# Altium PCB DDR3.PcbDoc (part 4 of 6)
Units mm, origin at the board's own origin, x right, y up, seen from the top; angles counter-clockwise.
Board outline 67.6 x 30 mm, 8 copper layers (L1 Top, L2 GND, L3 Sig, L4 (PWR), L5 (PWR), L6 Sig, L7 GND, L8 Bot), stack 1.714 mm thick; 216 components, 253 nets, 1243 pads, 806 vias.
Unrouted connection lines stored in the file: 13.
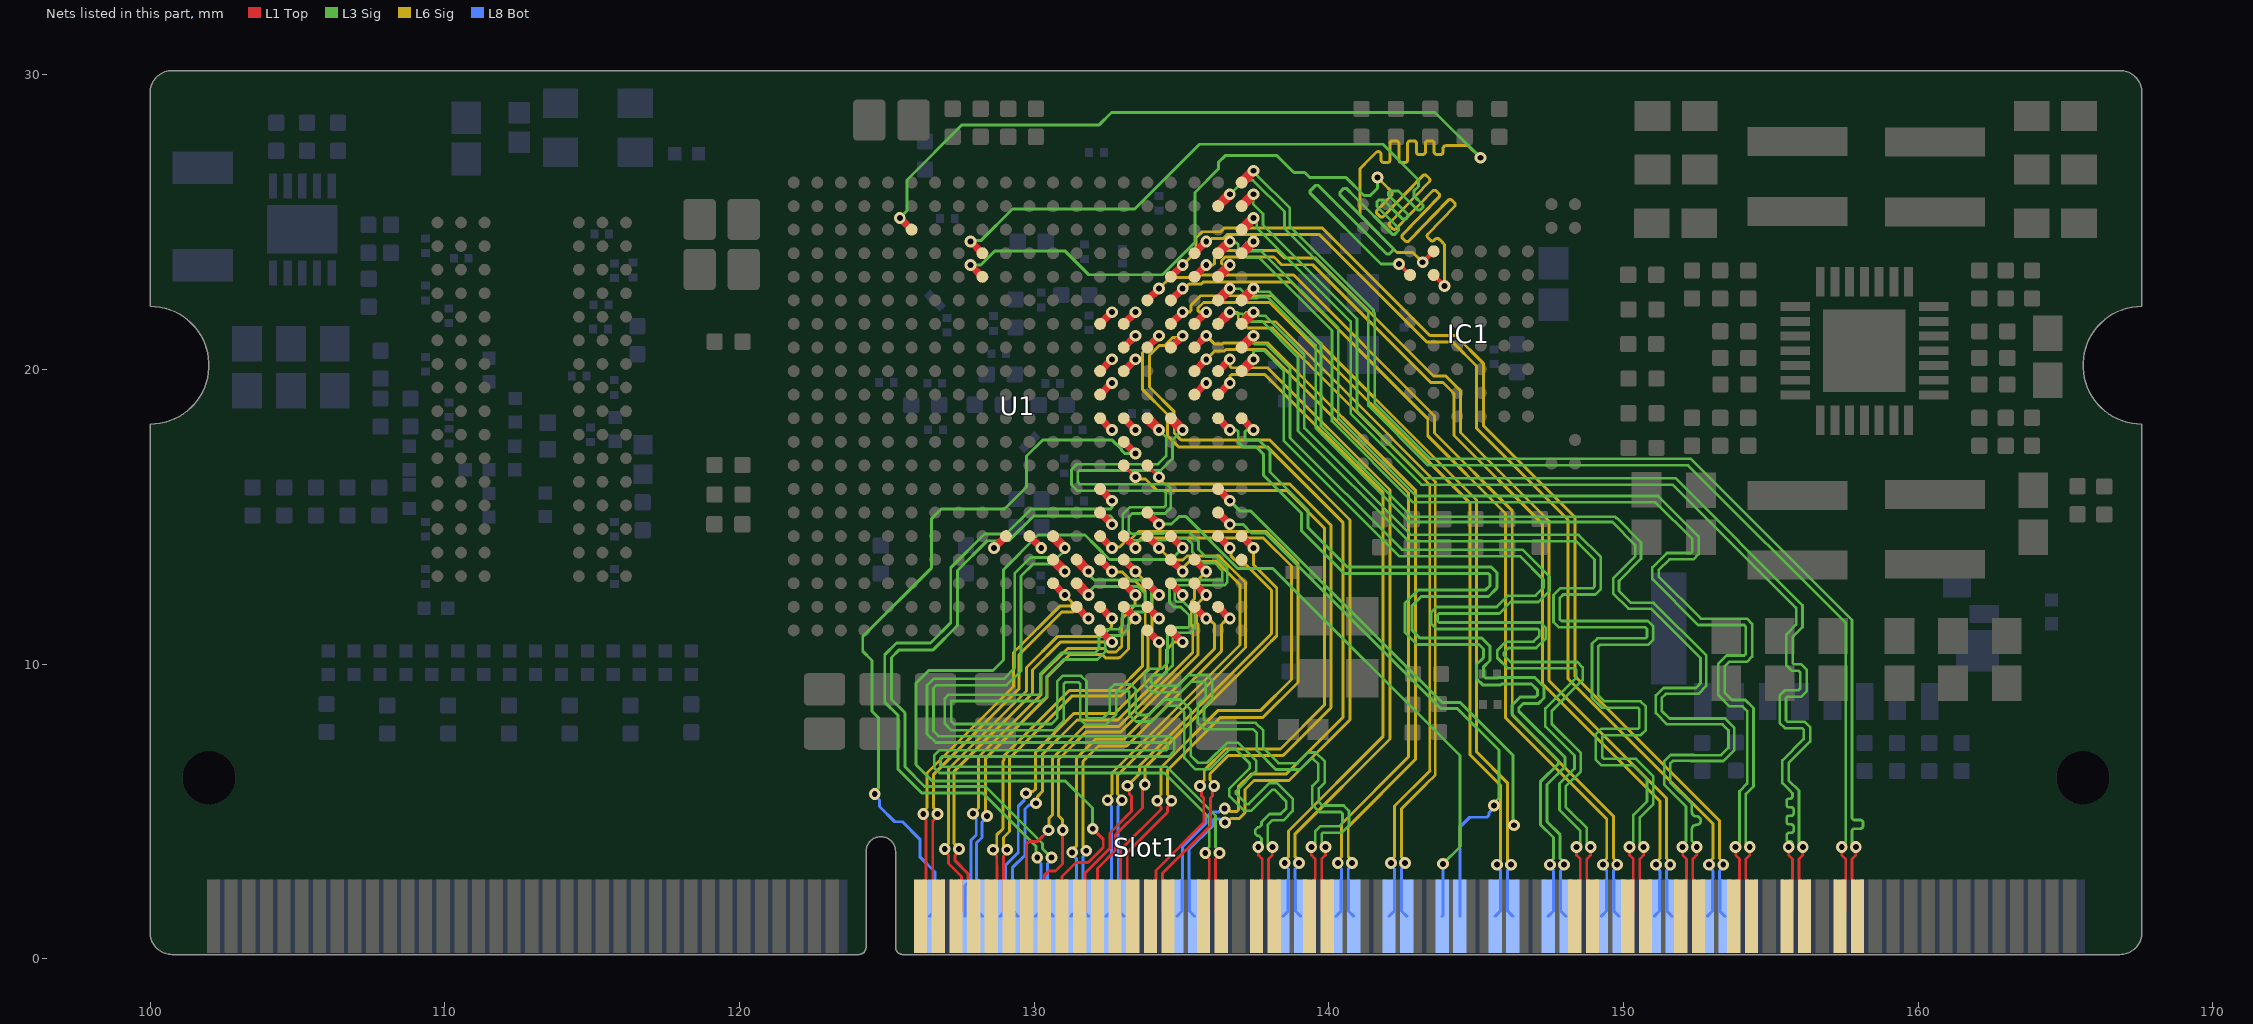
[diagram p10: the nets of this part, all layers, seen from the top]

## Via types
v1: diameter 0.4, hole 0.2, L1 Top to L8 Bot, 802 vias
v2: diameter 0.5, hole 0.2, L1 Top to L8 Bot, 4 vias

## Nets (pads, with @x,y where several pads share a name; then routed paths per layer and width w, separated by ;. In a path a pad name is that pad's centre, name@x,y a point inside that pad or via, vN(x,y) a via of type N, cw(c..) or ccw(c..) an arc to the next point about the centre after c; other vN are vias at no path point) (continued)
IO5_0: IC1.J7 U1.E9 | length 36
  L1 Top w0.15: IC1.J7@143.561,23.215 v1(143.932,22.844)
  L1 Top w0.254: v1(127.845,23.551) U1.E9@128.245,23.151
  L3 Sig w0.1: v1(127.845,23.551) 127.849,23.555 128.195,23.555 128.66,24.02 131.06,24.02 131.86,23.22 134.36,23.22 135.46,24.32 135.46,26.01 136.255,26.805 136.255,27.03 136.486,27.261 138.244,27.261 138.818,26.688 139.186,26.688 139.353,26.52 140.185,26.52 140.189,26.515 140.593,26.515 141.199,25.91 141.41,25.91 141.66,26.16 v1(141.66,26.52)
  L6 Sig w0.1: v1(141.66,26.52) 141.843,26.337 141.878,26.302 142.127,26.053 cw(c142.056,25.983) 142.128,25.913 141.646,25.414 ccw(c141.711,25.352) 141.648,25.287 141.734,25.204 ccw(c141.797,25.268) 141.862,25.206 143.191,26.582 cw(c143.256,26.519) 143.319,26.584 143.405,26.501 cw(c143.342,26.436) 143.407,26.373 142.077,24.997 ccw(c142.142,24.935) 142.08,24.87 142.166,24.787 ccw(c142.228,24.851) 142.293,24.789 143.523,26.062 cw(c143.588,25.999) 143.65,26.064 143.737,25.981 cw(c143.674,25.916) 143.739,25.853 142.509,24.58 ccw(c142.574,24.518) 142.511,24.453 142.597,24.37 ccw(c142.66,24.435) 142.725,24.372 144.054,25.748 cw(c144.119,25.685) 144.182,25.75 144.268,25.667 cw(c144.205,25.602) 144.27,25.54 143.366,24.605 ccw(c143.431,24.542) 143.369,24.477 143.455,24.394 ccw(c143.517,24.459) 143.582,24.396 143.611,24.426 cw(c143.683,24.356) 143.753,24.427 143.834,24.346 143.87,24.31 143.932,24.248 v1(143.932,22.844)
IO6_0: IC1.K7 U1.C6 | length 36
  L1 Top w0.15: v1(143.19,23.644) IC1.K7@143.561,24.015
  L1 Top w0.254: v1(125.445,25.151) U1.C6@125.845,24.751
  L3 Sig w0.1: v1(125.445,25.151) 125.69,25.396 125.69,26.44 127.56,28.31 132.21,28.31 132.63,28.73 143.61,28.73 v1(145.15,27.19)
  L6 Sig w0.1: v1(143.19,23.644) 142.854,23.98 142.32,23.98 141.07,25.23 141.07,26.83 141.385,27.145 141.609,27.369 cw(c141.68,27.299) 141.78,27.299 141.78,27.121 ccw(c141.87,27.121) 141.87,27.031 141.99,27.031 ccw(c141.99,27.121) 142.08,27.121 142.08,27.677 cw(c142.17,27.677) 142.17,27.767 142.29,27.767 cw(c142.29,27.677) 142.38,27.677 142.38,27.121 ccw(c142.47,27.121) 142.47,27.031 142.59,27.031 ccw(c142.59,27.121) 142.68,27.121 142.68,27.677 cw(c142.77,27.677) 142.77,27.767 142.89,27.767 cw(c142.89,27.677) 142.98,27.677 142.98,27.39 ccw(c143.07,27.39) 143.07,27.3 143.19,27.3 ccw(c143.19,27.39) 143.28,27.39 143.28,27.677 cw(c143.37,27.677) 143.37,27.767 143.49,27.767 cw(c143.49,27.677) 143.58,27.677 143.58,27.39 ccw(c143.67,27.39) 143.67,27.3 143.79,27.3 ccw(c143.79,27.39) 143.88,27.39 143.88,27.5 cw(c143.98,27.5) 143.98,27.6 144.42,27.6 144.74,27.6 v1(145.15,27.19)
IO7_0: IC1.J8 U1.D9 | length 38
  L1 Top w0.127: v1(142.39,23.586) IC1.J8@142.761,23.215
  L1 Top w0.254: v1(127.845,24.351) U1.D9@128.245,23.951
  L3 Sig w0.1: v1(127.845,24.351) 127.87,24.376 128.195,24.376 129.269,25.45 133.419,25.45 134.015,26.046 135.619,27.65 141.84,27.65 143.05,26.44 143.05,26.22 142.89,26.06 142.89,25.9 143.199,25.591 143.199,25.509 143.106,25.416 143.024,25.416 142.373,26.067 142.083,26.067 142.025,26.008 142.025,25.925 142.689,25.261 142.689,25.179 142.63,25.12 142.5,25.12 141.86,25.76 141.699,25.76 141.64,25.701 141.64,25.54 142.374,24.806 142.374,24.724 142.241,24.591 142.159,24.591 140.89,25.86 140.596,26.154 140.514,26.154 140.376,26.016 140.376,25.934 142.179,24.131 142.179,24.049 142.056,23.926 141.974,23.926 139.641,26.259 139.559,26.259 139.373,26.073 139.373,25.99 141.777,23.586 v1(142.39,23.586)
IO_0_34: Slot1.134 U1.R19 | length 19.4
  L1 Top w0.254: U1.R19@136.245,15.151 v1(136.645,14.751)
  L3 Sig w0.1: v1(136.645,14.751) 137.089,14.751 137.38,14.46 137.845,14.46 143.81,8.495 144.374,8.495 145.78,7.089 145.78,5.465 145.607,5.291 v1(145.607,5.21)
  L8 Bot w0.1: Slot1.134@144.45,1.45 144.45,4.471 144.789,4.81 145.37,4.81 145.441,4.881 145.441,4.963 145.607,5.129 v1(145.607,5.21)
IO_0_35: U1.G14 | length 0.6
  L1 Top w0.254: U1.G14@132.245,21.551 v1(132.645,21.951)
IO_25_34: Slot1.91 U1.T19 | length 16.6
  L1 Top w0.1: Slot1.91@131.55,1.45 131.725,1.625 131.725,2.904 132.577,3.756 132.577,4.279 133.31,5.013 133.31,5.527 133.232,5.604 133.232,5.823 v1(133.175,5.88)
  L1 Top w0.254: U1.T19@136.245,14.351 v1(136.645,13.951)
  L6 Sig w0.1: v1(133.175,5.88) 133.58,6.285 133.58,6.561 137.675,10.656 137.675,10.658 138.058,11.041 138.058,12.512 137.193,13.377 136.989,13.377 136.677,13.688 136.677,13.919 v1(136.645,13.951)
IO_25_35: U1.J15 | length 0.6
  L1 Top w0.254: U1.J15@133.045,19.951 v1(133.445,20.351)
IO_34_v16: U1.V16 | length 0.6
  L1 Top w0.254: U1.V16@133.845,12.751 v1(134.245,12.351)
IO_34_w16: U1.W16 | length 0.6
  L1 Top w0.254: U1.W16@133.845,11.951 v1(134.245,11.551)
IO_L1_T0_34_N: U1.T10 | length 0.6
  L1 Top w0.254: v1(128.645,13.951) U1.T10@129.045,14.351
IO_L1_T0_34_P: U1.T11 | length 0.6
  L1 Top w0.254: U1.T11@129.845,14.351 v1(130.245,13.951)
IO_L1_T0_AD0_35_N: Slot1.173 U1.B20 | length 40.1
  L1 Top w0.09: 156.09,3.6 156.09,3.524 155.958,3.392 155.958,2.708 155.97,2.696 155.97,1.63 Slot1.173@156.15,1.45
  L1 Top w0.343: U1.B20@137.045,25.551 v1(137.445,25.951)
  L3 Sig w0.09: v1(137.445,25.951) 137.445,25.611 137.77,25.286 137.77,24.912 140.96,21.722 140.96,18.598 143.242,16.317 151.763,16.317 156.08,12 156.08,11.26 155.747,10.927 155.747,10.053 155.8,10 156.04,10 156.22,9.82 156.22,9.083 156.04,8.903 155.573,8.903 155.52,8.85 155.52,8.103 155.573,8.05 156.157,8.05 156.337,7.87 156.337,7.377 155.61,6.65 155.61,6.061 155.958,5.712 155.958,3.808 v1@156.09,3.676
  other v1: 156.09,3.8
IO_L1_T0_AD0_35_P: Slot1.171 U1.C20 | length 40.1
  L1 Top w0.09: Slot1.171@155.55,1.45 155.73,1.63 155.73,2.696 155.741,2.708 155.741,3.392 155.61,3.524 155.61,3.6
  L1 Top w0.343: U1.C20@137.045,24.751 v1(137.445,25.151)
  L3 Sig w0.09: v1(137.445,25.151) 137.445,25.067 137.553,24.959 137.553,24.822 140.743,21.632 140.743,18.509 143.152,16.1 151.673,16.1 155.863,11.91 155.863,11.35 155.53,11.017 155.53,9.963 155.71,9.783 155.95,9.783 156.003,9.73 156.003,9.173 155.95,9.12 155.483,9.12 155.303,8.94 155.303,8.013 155.483,7.833 156.067,7.833 156.12,7.78 156.12,7.467 155.393,6.74 155.393,5.971 155.637,5.727 155.741,5.622 155.741,5.531 cw(c155.651,5.531) 155.651,5.441 155.628,5.441 ccw(c155.628,5.354) 155.541,5.354 155.541,5.238 ccw(c155.628,5.238) 155.628,5.151 155.692,5.151 cw(c155.692,5.064) 155.778,5.064 155.778,4.948 cw(c155.692,4.948) 155.692,4.861 155.628,4.861 ccw(c155.628,4.774) 155.541,4.774 155.541,4.658 ccw(c155.628,4.658) 155.628,4.571 155.692,4.571 cw(c155.692,4.484) 155.778,4.484 155.778,4.368 cw(c155.692,4.368) 155.692,4.281 155.628,4.281 ccw(c155.628,4.194) 155.541,4.194 155.541,4.078 ccw(c155.628,4.078) 155.628,3.991 155.651,3.991 cw(c155.651,3.901) 155.741,3.901 155.741,3.856 155.741,3.808 v1@155.61,3.676
  other v1: 155.61,3.8
IO_L2_T0_34_N: Slot1.107 U1.U12 | length 40.8
  L1 Top w0.09: v1(136.29,3.6) 136.29,3.524 136.159,3.392 136.159,2.708 136.17,2.696 136.17,1.63 Slot1.107@136.35,1.45
  L1 Top w0.343: U1.U12@130.645,13.551 v1(131.045,13.151)
  L3 Sig w0.09: v1(131.045,13.151) 131.045,13.235 130.873,13.407 129.974,13.407 129.56,12.993 129.56,9.781 129.072,9.293 126.685,9.293 126.587,9.195 126.587,7.733 126.757,7.563 134.577,7.563 134.757,7.384 134.757,7.05 134.577,6.87 126.88,6.87 126.827,6.817 126.827,6.58 126.88,6.527 134.503,6.527 136.158,4.872 136.158,4.495 136.159,3.808 136.29,3.676 v1(136.29,3.6)
IO_L2_T0_34_P: Slot1.105 U1.T12 | length 41.2
  L1 Top w0.09: Slot1.105@135.75,1.45 135.93,1.63 135.93,2.696 135.942,2.708 135.942,3.392 135.81,3.524 v1(135.81,3.6)
  L1 Top w0.343: U1.T12@130.645,14.351 v1(131.045,13.951)
  L3 Sig w0.09: v1(131.045,13.951) 131.045,13.867 130.802,13.624 129.884,13.624 129.343,13.083 129.343,9.871 128.982,9.51 126.595,9.51 126.37,9.285 126.37,7.643 126.667,7.346 134.487,7.346 134.54,7.294 134.54,7.14 134.487,7.087 126.79,7.087 126.61,6.907 126.61,6.49 126.79,6.31 134.428,6.31 135.941,4.796 135.941,4.406 135.942,3.808 135.81,3.676 v1(135.81,3.6)
IO_L2_T0_AD8_35_N: Slot1.179 U1.A20 | length 40
  L1 Top w0.09: 157.89,3.6 157.89,3.524 157.759,3.392 157.759,2.708 157.77,2.696 157.77,1.63 Slot1.179@157.95,1.45
  L1 Top w0.343: U1.A20@137.045,26.351 v1(137.445,26.751)
  L3 Sig w0.09: v1(137.445,26.751) 137.445,26.723 137.588,26.579 138.68,25.488 138.68,24.864 141.523,22.021 141.523,21.957 141.56,21.92 141.56,18.874 143.463,16.971 152.289,16.971 157.759,11.502 157.759,5.124 157.759,4.805 ccw(c157.849,4.805) 157.849,4.715 158.045,4.715 cw(c158.045,4.628) 158.132,4.628 158.132,4.512 cw(c158.045,4.512) 158.045,4.425 157.849,4.425 ccw(c157.849,4.335) 157.759,4.335 157.759,4 v1@157.759,3.8
  other v1: 157.89,3.8
IO_L2_T0_AD8_35_P: Slot1.177 U1.B19 | length 40
  L1 Top w0.09: Slot1.177@157.35,1.45 157.53,1.63 157.53,2.696 157.542,2.708 157.542,3.392 157.41,3.524 157.41,3.6
  L1 Top w0.343: U1.B19@136.245,25.551 v1(136.645,25.951)
  L3 Sig w0.09: v1(136.645,25.951) 137.12,26.426 137.435,26.426 138.5,25.361 138.5,24.789 141.343,21.946 141.343,18.784 143.373,16.754 152.199,16.754 157.542,11.412 v1@157.542,3.8
  other v1: 157.41,3.8
IO_L3_T0_DQS_34_N: Slot1.111 U1.V13 | length 39.2
  L1 Top w0.09: Slot1.111@137.55,1.45 137.73,1.63 137.73,2.696 137.741,2.708 137.741,3.392 137.61,3.524 137.61,3.6
  L1 Top w0.343: U1.V13@131.445,12.751 v1(131.845,12.351)
  L3 Sig w0.09: v1(131.845,12.351) 131.845,12.435 131.993,12.583 131.993,12.59 132.046,12.643 133.527,12.643 133.767,12.403 133.767,12.084 133.676,11.993 133.262,11.993 133.003,11.734 133.003,11.32 132.876,11.193 132.462,11.193 132.203,10.934 132.203,10.52 132.066,10.383 130.913,10.383 130.22,9.69 130.22,9.023 130.167,8.97 127.101,8.97 126.973,8.843 126.973,7.983 127.199,7.758 130.681,7.758 131.01,8.087 131.01,9.337 131.063,9.39 131.51,9.39 131.563,9.337 131.563,8.133 131.743,7.953 132.438,7.953 132.787,8.302 132.787,9.067 132.816,9.096 133.201,9.096 133.23,9.067 133.23,8.293 133.461,8.062 133.999,8.062 134.527,8.59 134.88,8.59 135.1,8.37 135.1,6.813 135.47,6.443 135.966,6.443 136.648,7.125 136.838,7.125 137.32,6.643 137.32,6.47 136.63,5.78 136.63,5.525 137.119,5.036 137.373,5.036 138.086,5.749 138.161,5.749 138.56,5.35 138.56,5.11 138.37,4.92 137.99,4.92 137.75,4.68 137.72,4.65 137.72,4.553 137.633,4.466 137.589,4.466 137.502,4.379 137.502,4.263 137.589,4.176 137.633,4.176 137.72,4.089 137.72,4.044 137.72,3.794 v1@137.61,3.684
  other v1: 137.61,3.8
IO_L3_T0_DQS_34_P: Slot1.113 U1.U13 | length 39.4
  L1 Top w0.09: 138.09,3.6 138.09,3.524 137.958,3.392 137.958,2.708 137.97,2.696 137.97,1.63 Slot1.113@138.15,1.45
  L1 Top w0.343: U1.U13@131.445,13.551 v1(131.845,13.151)
  L3 Sig w0.09: v1(131.845,13.151) 131.845,13.067 131.993,12.919 131.993,12.912 132.046,12.86 133.617,12.86 133.984,12.493 133.984,11.994 133.766,11.776 133.352,11.776 133.22,11.644 133.22,11.23 132.966,10.976 132.552,10.976 132.42,10.844 132.42,10.43 132.156,10.166 131.003,10.166 130.437,9.6 130.437,8.933 130.257,8.753 127.19,8.753 127.19,8.073 127.289,7.975 130.591,7.975 130.793,8.177 130.793,9.427 130.973,9.607 131.6,9.607 131.78,9.427 131.78,8.223 131.833,8.17 132.348,8.17 132.57,8.392 132.57,9.157 132.726,9.313 133.291,9.313 133.447,9.157 133.447,8.383 133.551,8.279 133.909,8.279 134.437,8.807 134.97,8.807 135.317,8.46 135.317,6.903 135.56,6.66 135.876,6.66 136.558,7.342 136.928,7.342 137.537,6.733 137.537,6.38 136.847,5.69 136.847,5.615 137.209,5.253 137.283,5.253 137.996,5.966 138.251,5.966 138.777,5.44 138.777,5.02 138.46,4.703 138.08,4.703 137.937,4.56 137.937,3.829 v1@138.09,3.676
  other v1: 138.09,3.8
IO_L3_T0_DQS_AD1_35_N: Slot1.162 U1.D18 | length 33.9
  L1 Top w0.254: U1.D18@135.445,23.951 v1(135.845,24.351)
  L6 Sig w0.1: v1(135.845,24.351) 135.926,24.351 136.029,24.454 136.423,24.454 136.55,24.581 139.689,24.581 143.337,20.933 144.207,20.933 145.02,20.12 145.02,18.01 148.126,14.904 148.126,9.508 153.037,4.597 153.037,3.408 152.91,3.281 v1(152.91,3.2)
  L8 Bot w0.1: Slot1.162@152.85,1.45 153.025,1.625 153.025,2.697 153.037,2.709 153.037,2.992 152.91,3.119 v1(152.91,3.2)
IO_L3_T0_DQS_AD1_35_P: Slot1.164 U1.E17 | length 35.7
  L1 Top w0.254: U1.E17@134.645,23.151 v1(135.045,23.551)
  L6 Sig w0.1: v1(135.045,23.551) 135.496,24.002 135.496,24.468 135.708,24.681 136.329,24.681 136.456,24.808 139.783,24.808 143.431,21.16 144.301,21.16 145.247,20.214 145.247,18.104 148.353,14.998 148.353,9.602 153.264,4.691 153.264,3.408 153.39,3.281 v1(153.39,3.2)
  L8 Bot w0.1: v1(153.39,3.2) 153.39,3.119 153.264,2.992 153.264,2.709 153.275,2.697 153.275,1.625 Slot1.164@153.45,1.45
IO_L4_T0_34_N: Slot1.75 U1.W13 | length 13.9
  L1 Top w0.1: v1(126.72,4.92) 126.72,4.839 126.564,4.682 126.564,2.709 126.575,2.697 126.575,1.625 Slot1.75@126.75,1.45
  L1 Top w0.254: U1.W13@131.445,11.951 v1(131.845,11.551)
  L6 Sig w0.1: v1(126.72,4.92) 126.72,5.001 126.594,5.128 126.594,6.272 129.491,9.17 129.491,10.32 129.49,10.321 130.95,11.781 131.317,11.781 131.378,11.842 131.554,11.842 v1(131.845,11.551)
IO_L4_T0_34_P: Slot1.73 U1.V12 | length 14
  L1 Top w0.1: Slot1.73@126.15,1.45 126.325,1.625 126.325,2.697 126.337,2.709 126.337,4.742 126.24,4.839 v1(126.24,4.92)
  L1 Top w0.254: U1.V12@130.645,12.751 v1(131.045,12.351)
  L6 Sig w0.1: v1(126.24,4.92) 126.24,5.001 126.367,5.128 126.367,6.316 129.3,9.25 129.3,10.402 130.87,11.973 131.223,11.973 131.282,12.031 131.282,12.114 v1(131.045,12.351)
IO_L4_T0_35_N: Slot1.167 U1.D20 | length 40
  L1 Top w0.09: 154.29,3.6 154.29,3.524 154.159,3.392 154.159,2.708 154.17,2.696 154.17,1.63 Slot1.167@154.35,1.45
  L1 Top w0.343: U1.D20@137.045,23.951 v1(137.445,24.351)
  L3 Sig w0.09: v1(137.445,24.351) 137.39,24.296 137.206,24.296 137.153,24.243 137.153,24.169 137.306,24.016 137.726,24.016 140.33,21.412 140.33,18.342 142.958,15.714 151.183,15.714 152.557,14.34 152.557,13.743 152.377,13.563 151.563,13.563 151.2,13.2 151.2,12.98 152.63,11.55 154.19,11.55 154.37,11.37 154.37,10.263 154.19,10.083 153.593,10.083 153.44,9.93 153.44,9.04 153.69,8.79 154.137,8.79 154.417,8.51 154.417,5.86 154.159,5.602 154.159,3.808 v1@154.29,3.676
  other v1: 154.29,3.8
IO_L4_T0_35_P: Slot1.165 U1.D19 | length 40
  L1 Top w0.09: Slot1.165@153.75,1.45 153.93,1.63 153.93,2.696 153.942,2.708 153.942,3.392 153.81,3.524 153.81,3.6
  L1 Top w0.343: U1.D19@136.245,23.951 v1(136.645,24.351)
  L3 Sig w0.09: v1(136.645,24.351) 136.7,24.296 136.884,24.296 136.936,24.243 136.936,24.079 137.216,23.799 137.636,23.799 140.113,21.322 140.113,18.252 142.868,15.497 151.093,15.497 152.34,14.25 152.34,13.833 152.287,13.78 151.473,13.78 150.983,13.29 150.983,12.89 152.54,11.333 154.1,11.333 154.153,11.28 154.153,10.353 154.1,10.3 153.503,10.3 153.223,10.02 153.223,8.95 153.6,8.573 154.047,8.573 154.2,8.42 154.2,5.95 153.942,5.692 153.942,3.808 v1@153.81,3.676
  other v1: 153.81,3.8
IO_L5_T0_34_N: Slot1.95 U1.T15 | length 21.8
  L1 Top w0.1: Slot1.95@132.75,1.45 132.925,1.625 132.925,2.697 132.937,2.709 132.937,3.707 134.307,5.077 134.307,5.162 134.18,5.289 v1(134.18,5.37)
  L1 Top w0.254: U1.T15@133.045,14.351 v1(133.445,13.951)
  L6 Sig w0.1: v1(133.445,13.951) 133.502,14.008 133.502,14.146 133.637,14.281 137.788,14.281 138.734,13.335 138.734,9.48 137.681,8.427 136.235,8.427 134.307,6.499 134.307,5.578 134.18,5.451 v1(134.18,5.37)
IO_L5_T0_34_P: Slot1.97 U1.T14 | length 23
  L1 Top w0.1: Slot1.97@133.35,1.45 133.175,1.625 133.175,2.697 133.164,2.709 133.164,3.613 134.534,4.983 134.534,5.162 134.66,5.289 v1(134.66,5.37)
  L1 Top w0.254: U1.T14@132.245,14.351 v1(132.645,13.951)
  L6 Sig w0.1: v1(132.645,13.951) 132.679,13.985 132.906,13.985 133.173,14.252 133.287,14.252 133.543,14.508 137.882,14.508 138.961,13.429 138.961,9.386 137.775,8.2 136.329,8.2 134.534,6.405 134.534,5.578 134.66,5.451 v1(134.66,5.37)
IO_L5_T0_AD9_35_N: Slot1.156 U1.E19 | length 31.6
  L1 Top w0.343: U1.E19@136.245,23.151 v1(136.645,23.551)
  L6 Sig w0.1: v1(136.645,23.551) 136.417,23.551 136.358,23.61 136.358,23.692 136.486,23.82 138.142,23.82 138.402,23.56 139.46,23.56 143.46,19.56 143.88,19.56 144.25,19.19 144.25,17.77 147.249,14.771 147.249,9.351 151.237,5.363 151.237,3.408 151.11,3.281 v1(151.11,3.2)
  L8 Bot w0.1: Slot1.156@151.05,1.45 151.225,1.625 151.225,2.697 151.237,2.709 151.237,2.992 151.11,3.119 v1(151.11,3.2)
IO_L5_T0_AD9_35_P: Slot1.158 U1.E18 | length 32.4
  L1 Top w0.254: U1.E18@135.445,23.151 v1(135.845,23.551)
  L6 Sig w0.1: v1(135.845,23.551) 136.073,23.551 136.131,23.61 136.131,23.786 136.392,24.047 138.236,24.047 138.496,23.787 139.554,23.787 143.554,19.787 143.974,19.787 144.477,19.284 144.477,17.864 147.476,14.865 147.476,9.445 151.464,5.458 151.464,3.408 151.59,3.281 v1(151.59,3.2)
  L8 Bot w0.1: v1(151.59,3.2) 151.59,3.119 151.464,2.992 151.464,2.709 151.475,2.697 151.475,1.625 Slot1.158@151.65,1.45
IO_L6_T0_34_N: Slot1.88 U1.R14 | length 23.8
  L1 Top w0.254: U1.R14@132.245,15.151 v1(132.645,14.751)
  L3 Sig w0.1: v1(130.589,3.445) 130.29,3.744 130.29,3.92 128.353,5.857 126.284,5.857 125.617,6.524 125.617,8.353 125.161,8.809 125.161,10.229 125.426,10.493 126.577,10.493 127.4,11.316 127.4,13.18 128.413,14.193 129.143,14.193 129.987,15.037 132.586,15.037 132.645,14.979 v1(132.645,14.751)
  L8 Bot w0.1: v1(130.589,3.445) 130.589,3.364 130.462,3.238 130.462,3.029 130.464,3.028 130.464,2.709 130.475,2.697 130.475,1.625 Slot1.88@130.65,1.45
IO_L6_T0_34_P: Slot1.86 U1.P14 | length 24
  L1 Top w0.254: U1.P14@132.245,15.951 v1(132.645,15.551)
  L3 Sig w0.1: v1(130.109,3.445) 130.052,3.503 130.063,3.514 130.063,3.826 128.259,5.63 126.19,5.63 125.39,6.43 125.39,8.259 124.934,8.715 124.934,10.323 125.332,10.72 126.483,10.72 127.173,11.41 127.173,13.274 128.319,14.42 129.049,14.42 129.893,15.264 132.586,15.264 132.645,15.323 v1(132.645,15.551)
  L8 Bot w0.1: Slot1.86@130.05,1.45 130.225,1.625 130.225,2.697 130.237,2.709 130.237,2.934 130.235,2.935 130.235,3.238 130.109,3.364 v1(130.109,3.445)
IO_L6_T0_35_N: Slot1.150 U1.F17 | length 30.5
  L1 Top w0.254: U1.F17@134.645,22.351 v1(135.045,22.751)
  L6 Sig w0.1: v1(135.045,22.751) 135.104,22.751 135.254,22.901 135.67,22.901 135.75,22.981 138.719,22.981 143.362,18.338 143.362,17.758 146.003,15.117 146.003,8.187 149.437,4.753 149.437,3.408 149.31,3.281 v1(149.31,3.2)
  L8 Bot w0.1: Slot1.150@149.25,1.45 149.425,1.625 149.425,2.697 149.437,2.709 149.437,2.992 149.31,3.119 v1(149.31,3.2)
IO_L6_T0_35_P: Slot1.152 U1.F16 | length 31.8
  L1 Top w0.254: U1.F16@133.845,22.351 v1(134.245,22.751)
  L6 Sig w0.1: v1(134.245,22.751) 134.622,23.128 135.576,23.128 135.656,23.208 138.813,23.208 143.589,18.432 143.589,17.852 146.23,15.211 146.23,8.281 149.664,4.848 149.664,3.408 149.79,3.281 v1(149.79,3.2)
  L8 Bot w0.1: v1(149.79,3.2) 149.79,3.119 149.664,2.992 149.664,2.709 149.675,2.697 149.675,1.625 Slot1.152@149.85,1.45
IO_L7_T1_34_N: Slot1.84 U1.Y17 | length 13.4
  L1 Top w0.254: U1.Y17@134.645,11.151 v1(135.045,10.751)
  L6 Sig w0.1: v1(130.065,5.286) 130.123,5.343 130.123,5.522 130.282,5.681 130.282,6.937 131.455,8.11 132.844,8.11 134.501,9.766 134.501,10.503 134.748,10.751 v1(135.045,10.751)
  L8 Bot w0.1: Slot1.84@129.45,1.45 129.275,1.625 129.275,2.697 129.264,2.709 129.264,3.095 129.692,3.523 129.692,5.091 129.829,5.228 130.008,5.228 v1(130.065,5.286)
IO_L7_T1_34_P: Slot1.82 U1.Y16 | length 13
  L1 Top w0.254: U1.Y16@133.845,11.151 v1(134.245,10.751)
  L6 Sig w0.1: v1(129.726,5.625) 129.783,5.682 129.962,5.682 130.055,5.775 130.055,7.031 131.361,8.337 132.75,8.337 134.274,9.86 134.274,10.722 v1(134.245,10.751)
  L8 Bot w0.1: Slot1.82@128.85,1.45 129.025,1.625 129.025,2.697 129.037,2.709 129.037,3.189 129.465,3.617 129.465,5.185 129.669,5.389 129.669,5.568 v1(129.726,5.625)
IO_L8_T1_34_N: Slot1.79 U1.Y14 | length 13.5
  L1 Top w0.1: v1(127.452,3.735) 127.452,3.654 127.325,3.528 127.325,3.331 127.764,2.893 127.764,2.709 127.775,2.697 127.775,1.625 Slot1.79@127.95,1.45
  L1 Top w0.254: U1.Y14@132.245,11.151 v1(132.645,10.751)
  L6 Sig w0.1: v1(127.452,3.735) 127.452,3.752 127.291,3.913 127.291,6.368 129.945,9.022 129.945,9.805 130.891,10.751 v1(132.645,10.751)
IO_L8_T1_34_P: Slot1.77 U1.W14 | length 14.2
  L1 Top w0.1: v1(126.972,3.735) 126.972,3.654 127.098,3.528 127.098,3.237 127.537,2.799 127.537,2.709 127.525,2.697 127.525,1.625 Slot1.77@127.35,1.45
  L1 Top w0.254: U1.W14@132.245,11.951 v1(132.645,11.551)
  L6 Sig w0.1: v1(126.972,3.735) 126.972,3.783 127.101,3.912 127.101,6.447 129.749,9.094 129.745,9.098 129.745,9.888 130.808,10.951 132.313,10.951 132.632,11.269 132.632,11.538 v1(132.645,11.551)
IO_L9_T1_DQS_AD3_35_N: Slot1.146 U1.L20 | length 32.8
  L1 Top w0.254: U1.L20@137.045,18.351 v1(137.445,17.951)
  L3 Sig w0.1: v1(137.445,17.951) 137.217,17.951 137.158,17.892 137.158,17.63 137.18,17.608 137.634,17.608 138.007,17.235 138.007,16.523 139.297,15.233 139.297,14.633 140.62,13.31 145.511,13.31 145.707,13.114 145.707,12.584 145.425,12.302 143.139,12.302 142.82,11.983 142.82,11.17 143.093,10.897 145.194,10.897 145.477,10.614 145.477,10.13 145.247,9.9 145.247,9.603 145.319,9.531 145.741,9.531 145.77,9.56 146.981,9.56 147.307,9.234 147.307,8.855 147.115,8.663 146.593,8.663 146.45,8.52 146.45,8.41 148.026,6.834 148.026,6.535 147.409,5.918 147.409,4.661 147.857,4.213 147.857,3.414 147.99,3.281 v1(147.99,3.2)
  L8 Bot w0.1: v1(147.99,3.2) 147.99,3.119 147.864,2.992 147.864,2.709 147.875,2.697 147.875,1.625 Slot1.146@148.05,1.45
IO_L9_T1_DQS_AD3_35_P: Slot1.144 U1.L19 | length 32.8
  L1 Top w0.254: U1.L19@136.245,18.351 v1(136.645,17.951)
  L3 Sig w0.1: v1(136.645,17.951) 136.873,17.951 136.931,17.892 136.931,17.536 137.086,17.381 137.54,17.381 137.78,17.141 137.78,16.429 139.07,15.139 139.07,14.539 140.526,13.083 145.417,13.083 145.48,13.02 145.48,12.678 145.331,12.529 143.045,12.529 142.593,12.077 142.593,11.076 142.825,10.844 142.999,10.67 145.1,10.67 145.25,10.52 145.25,10.224 145.02,9.994 145.02,9.509 145.225,9.304 145.836,9.304 145.864,9.333 146.887,9.333 147.08,9.14 147.08,8.949 147.021,8.89 146.499,8.89 146.223,8.614 146.223,8.316 147.799,6.739 147.799,6.629 147.182,6.012 147.182,4.567 147.63,4.119 147.63,3.401 147.51,3.281 v1(147.51,3.2)
  L8 Bot w0.1: Slot1.144@147.45,1.45 147.625,1.625 147.625,2.697 147.637,2.709 147.637,2.992 147.51,3.119 v1(147.51,3.2)
IO_L9_T1_DQS_N: Slot1.94 U1.U17 | length 16.3
  L1 Top w0.254: U1.U17@134.645,13.551 v1(135.045,13.151)
  L6 Sig w0.1: v1(132.5,5.39) 132.5,5.454 132.645,5.599 132.645,6.311 136.987,10.654 136.987,12.702 136.2,13.49 135.268,13.49 135.028,13.25 135.028,13.168 v1(135.045,13.151)
  L8 Bot w0.1: Slot1.94@132.45,1.45 132.625,1.625 132.625,2.697 132.637,2.709 132.637,4.034 132.627,4.044 132.627,5.182 132.5,5.309 v1(132.5,5.39)
IO_L9_T1_DQS_P: Slot1.96 U1.T16 | length 17.4
  L1 Top w0.254: U1.T16@133.845,14.351 v1(134.245,13.951)
  L6 Sig w0.1: v1(132.98,5.39) 132.98,5.454 132.835,5.599 132.835,6.233 137.177,10.575 137.177,12.781 136.278,13.68 135.189,13.68 135.045,13.536 134.66,13.536 v1(134.245,13.951)
  L8 Bot w0.1: v1(132.98,5.39) 132.98,5.309 132.854,5.182 132.854,4.138 132.864,4.128 132.864,2.709 132.875,2.697 132.875,1.625 Slot1.96@133.05,1.45
IO_L10_T1_34_N: Slot1.80 U1.W15 | length 14.2
  L1 Top w0.254: U1.W15@133.045,11.951 v1(133.445,11.551)
  L6 Sig w0.1: v1(128.404,4.85) 128.347,4.907 128.347,6.795 130.433,8.881 130.433,9.55 131.224,10.341 132.306,10.341 132.425,10.221 132.865,10.221 132.877,10.233 132.915,10.233 133.203,10.522 133.203,11.342 133.412,11.551 v1(133.445,11.551)
  L8 Bot w0.1: Slot1.80@128.25,1.45 128.075,1.625 128.075,2.686 128.051,2.709 128.051,3.941 128.237,4.127 128.237,4.642 128.404,4.808 v1(128.404,4.85)
IO_L10_T1_34_P: Slot1.78 U1.V15 | length 15.1
  L1 Top w0.254: U1.V15@133.045,12.751 v1(133.445,12.351)
  L6 Sig w0.1: v1(127.93,4.931) 127.93,4.938 128.12,5.128 128.12,6.851 130.233,8.964 130.233,9.633 131.141,10.541 132.388,10.541 132.508,10.421 132.782,10.421 132.976,10.616 132.976,11.549 133.428,12.001 133.428,12.334 v1(133.445,12.351)
  L8 Bot w0.1: Slot1.78@127.65,1.45 127.65,2.475 127.854,2.679 127.854,4.023 128.04,4.209 128.04,4.74 127.93,4.85 v1(127.93,4.931)
IO_L10_T1_AD11_35_N: Slot1.116 U1.J19 | length 23.9
  L1 Top w0.254: U1.J19@136.245,19.951 v1(136.645,20.351)
  L6 Sig w0.1: v1(136.645,20.351) 136.645,20.123 136.704,20.064 137.928,20.064 142.077,15.915 142.077,7.467 138.863,4.253 138.863,3.468 138.99,3.341 v1(138.99,3.26)
  L8 Bot w0.1: v1(138.99,3.26) 138.99,3.179 138.863,3.052 138.863,2.709 138.875,2.697 138.875,1.625 Slot1.116@139.05,1.45
IO_L10_T1_AD11_35_P: Slot1.114 U1.K19 | length 23.6
  L1 Top w0.254: U1.K19@136.245,19.151 v1(136.645,19.551)
  L6 Sig w0.1: v1(136.645,19.551) 136.645,19.779 136.704,19.837 137.834,19.837 141.85,15.821 141.85,7.561 138.636,4.348 138.636,3.468 138.51,3.341 v1(138.51,3.26)
  L8 Bot w0.1: Slot1.114@138.45,1.45 138.625,1.625 138.625,2.697 138.636,2.709 138.636,3.052 138.51,3.179 v1(138.51,3.26)
IO_L11_T1_SRCC_34_N: Slot1.83 U1.U15 | length 15.8
  L1 Top w0.1: v1(129.088,3.707) 129.088,3.626 128.961,3.499 128.961,3.293 128.963,3.291 128.963,2.709 128.975,2.697 128.975,1.625 Slot1.83@129.15,1.45
  L1 Top w0.254: U1.U15@133.045,13.551 v1(133.445,13.151)
  L6 Sig w0.1: v1(129.088,3.707) 129.02,3.707 128.961,3.765 128.961,4.12 129.17,4.329 129.17,6.67 129.175,6.675 129.175,6.818 131.277,8.92 132.932,8.92 133.865,9.853 133.865,11.051 134.002,11.188 134.002,12.582 133.445,13.139 v1(133.445,13.151)
IO_L11_T1_SRCC_34_P: Slot1.81 U1.U14 | length 16.3
  L1 Top w0.1: Slot1.81@128.55,1.45 128.725,1.625 128.725,2.697 128.736,2.709 128.736,3.197 128.734,3.199 128.734,3.499 128.608,3.626 v1(128.608,3.707)
  L1 Top w0.254: U1.U14@132.245,13.551 v1(132.645,13.151)
  L6 Sig w0.1: v1(128.608,3.707) 128.676,3.707 128.734,3.765 128.734,4.214 128.943,4.423 128.943,6.712 128.985,6.754 128.985,6.897 131.198,9.11 132.853,9.11 133.675,9.932 133.675,11.13 133.775,11.23 133.775,12.488 133.442,12.821 133.308,12.821 132.995,13.134 132.662,13.134 v1(132.645,13.151)
IO_L11_T1_SRCC_35_N: Slot1.119 U1.L17 | length 38.8
  L1 Top w0.09: 139.89,3.6 139.89,3.524 139.758,3.392 139.758,2.708 139.77,2.696 139.77,1.63 Slot1.119@139.95,1.45
  L1 Top w0.343: U1.L17@134.645,18.351 v1(135.045,17.951)
  L3 Sig w0.09: v1(135.045,17.951) 134.7,17.606 134.7,17.389 134.7,16.981 134.295,16.576 131.54,16.576 131.487,16.523 131.487,16.183 131.564,16.106 134.507,16.106 134.64,15.973 134.64,15.307 134.449,15.116 133.332,15.116 133.22,15.004 133.22,14.512 133.306,14.426 134.38,14.426 134.44,14.486 135.267,14.486 135.58,14.173 135.58,13.898 135.821,13.657 136.172,13.657 136.314,13.515 ; 136.314,13.515 136.457,13.371 136.563,13.266 136.563,12.787 136.457,12.681 134.797,12.681 134.779,12.663 134.779,12.179 134.831,12.126 135.054,12.126 135.45,11.73 135.45,11.227 135.292,11.069 134.727,11.069 134.709,11.05 134.709,9.969 134.603,9.863 134.512,9.772 134.37,9.63 134.023,9.63 133.97,9.577 133.97,9.4 134.1,9.27 134.883,9.27 135.24,9.627 135.867,9.627 136.047,9.447 136.047,8.817 135.77,8.54 135.77,8.12 135.875,8.015 137.522,8.015 137.78,7.757 137.78,7.16 138.293,6.647 138.94,6.647 139.303,7.01 139.557,7.01 139.867,6.7 139.867,5.987 139.663,5.783 139.663,5.323 139.78,5.207 140.507,5.207 140.687,5.027 140.687,4.527 140.45,4.29 139.811,4.29 139.758,4.237 139.758,3.808 v1@139.89,3.676
  other v1: 139.89,3.8
IO_L11_T1_SRCC_35_P: Slot1.117 U1.L16 | length 38.9
  L1 Top w0.09: Slot1.117@139.35,1.45 139.53,1.63 139.53,2.696 139.541,2.708 139.541,3.392 139.41,3.524 139.41,3.6
  L1 Top w0.343: U1.L16@133.845,18.351 v1(134.245,17.951)
  L3 Sig w0.09: v1(134.245,17.951) 134.483,17.713 134.483,17.659 134.483,17.479 134.483,17.071 134.205,16.793 131.45,16.793 131.27,16.613 131.27,16.093 131.474,15.889 134.417,15.889 134.47,15.836 134.47,15.391 134.405,15.326 133.245,15.326 133.01,15.091 133.01,14.425 133.219,14.216 134.467,14.216 134.527,14.276 135.18,14.276 135.37,14.086 135.37,13.811 135.41,13.771 135.41,13.761 135.731,13.44 136.134,13.44 136.383,13.191 136.383,12.862 134.723,12.861 134.599,12.737 134.599,12.104 134.757,11.946 134.979,11.946 135.27,11.655 135.27,11.302 135.217,11.249 134.653,11.249 134.529,11.125 134.529,10.043 134.332,9.847 133.933,9.847 133.753,9.667 133.753,9.31 134.01,9.053 134.973,9.053 135.33,9.41 135.777,9.41 135.83,9.357 135.83,8.907 135.553,8.63 135.553,8.03 135.785,7.798 137.432,7.798 137.563,7.667 137.563,7.07 138.203,6.43 139.03,6.43 139.393,6.793 139.467,6.793 139.65,6.61 139.65,6.077 139.446,5.873 139.446,5.234 139.69,4.99 140.417,4.99 140.47,4.937 140.47,4.617 140.36,4.507 139.721,4.507 139.541,4.327 139.541,3.808 v1@139.41,3.676
  other v1: 139.41,3.8
IO_L12_T1_MRCC_34_P: Slot1.85 U1.U18 | length 15.7
  L1 Top w0.1: Slot1.85@129.75,1.45 129.75,3.9 129.844,3.994 130.126,3.994 130.494,4.361 v1(130.494,4.37)
  L1 Top w0.254: U1.U18@135.445,13.551 v1(135.845,13.151)
  L6 Sig w0.1: v1(130.494,4.37) 130.502,4.378 130.502,4.768 130.626,4.892 130.626,6.816 131.7,7.89 132.879,7.89 135.386,10.397 135.386,11.288 135.335,11.34 135.335,12.115 135.44,12.22 135.44,12.746 v1(135.845,13.151)
IO_L12_T1_MRCC_35_N: U1.K18 | length 0.6
  L1 Top w0.254: U1.K18@135.445,19.151 v1(135.845,19.551)
IO_L13_T2_MRCC_34_N: U1.P19 | length 16.1
  L1 Top w0.254: U1.P19@136.245,15.951 v1(136.645,15.551)
  L3 Sig w0.1: v1(136.645,15.551) 136.997,15.199 137.361,15.199 143.863,8.697 144.473,8.697 146.26,6.91 146.26,4.574 v1(146.294,4.54)
IO_L13_T2_MRCC_35_N: Slot1.104 U1.H17 | length 29.2
  L1 Top w0.254: U1.H17@134.645,20.751 v1(135.045,21.151)
  L6 Sig w0.1: v1(135.045,21.151) 134.988,21.094 134.706,21.094 134.434,20.821 134.248,20.821 133.915,20.488 133.915,19.414 134.758,18.571 134.758,17.849 134.999,17.608 138.009,17.608 140.72,14.897 140.72,8.12 138.653,6.053 137.462,6.053 137.16,5.751 137.16,4.963 136.968,4.771 136.679,4.771 136.537,4.63 v1(136.483,4.63)
  L8 Bot w0.1: Slot1.104@135.45,1.45 135.275,1.625 135.275,2.697 135.264,2.709 135.264,3.715 136.061,4.512 136.061,4.698 136.12,4.757 136.276,4.757 136.402,4.63 v1(136.483,4.63)
IO_L13_T2_MRCC_35_P: Slot1.102 U1.H16 | length 28.7
  L1 Top w0.254: U1.H16@133.845,20.751 v1(134.245,21.151)
  L6 Sig w0.1: v1@134.249,21.143 133.688,20.582 133.688,19.32 134.531,18.477 134.531,17.755 134.905,17.381 137.915,17.381 140.493,14.803 140.493,8.214 138.559,6.28 137.368,6.28 136.933,5.845 136.933,5.057 136.874,4.998 136.663,4.998 136.551,5.11 v1(136.47,5.11)
  L8 Bot w0.1: Slot1.102@134.85,1.45 135.025,1.625 135.025,2.697 135.037,2.709 135.037,3.809 135.834,4.607 135.834,4.792 136.026,4.984 136.262,4.984 136.389,5.11 v1(136.47,5.11)
IO_L14_T2_AD4_SRCC_35_N: Slot1.122 U1.H18 | length 25.5
  L1 Top w0.254: U1.H18@135.445,20.751 v1(135.845,21.151)
  L6 Sig w0.1: v1(135.845,21.151) 136.131,20.864 136.371,20.864 136.414,20.908 137.939,20.908 142.939,15.908 142.939,6.766 140.664,4.491 140.664,3.468 140.79,3.341 v1(140.79,3.26)
  L8 Bot w0.1: v1(140.79,3.26) 140.79,3.179 140.664,3.052 140.664,2.709 140.675,2.697 140.675,1.625 Slot1.122@140.85,1.45
IO_L14_T2_AD4_SRCC_35_P: Slot1.120 U1.J18 | length 25.1
  L1 Top w0.254: U1.J18@135.445,19.951 v1(135.845,20.351)
  L6 Sig w0.1: v1(135.845,20.351) 136.131,20.637 136.465,20.637 136.508,20.681 137.845,20.681 142.712,15.814 142.712,6.86 140.437,4.585 140.437,3.468 140.31,3.341 v1(140.31,3.26)
  L8 Bot w0.1: Slot1.120@140.25,1.45 140.425,1.625 140.425,2.697 140.437,2.709 140.437,3.052 140.31,3.179 v1(140.31,3.26)
IO_L15_T2_DQS_AD12_35_N: Slot1.161 U1.F20 | length 39.8
  L1 Top w0.09: 152.49,3.6 152.49,3.524 152.358,3.392 152.358,2.708 152.37,2.696 152.37,1.63 Slot1.161@152.55,1.45
  L1 Top w0.343: U1.F20@137.045,22.351 v1(137.445,22.751)
  L3 Sig w0.09: v1(137.445,22.751) 137.445,22.643 137.493,22.692 137.588,22.692 137.637,22.643 137.991,22.643 138.009,22.625 139.723,20.911 139.741,20.892 139.741,20.866 139.742,18.083 142.813,15.011 149.715,15.011 149.764,14.962 149.777,14.962 150.601,14.138 150.601,13.584 149.85,12.833 149.85,12.493 150.255,12.088 151.026,12.088 152.819,10.295 152.819,9.275 152.542,8.999 151.442,8.999 151.301,8.858 151.301,8.425 151.565,8.16 153.453,8.16 153.769,7.844 153.769,7.09 153.398,6.719 152.305,6.719 152.301,6.724 151.684,6.724 151.591,6.631 151.591,5.993 152.325,5.258 152.325,5.194 152.325,4.986 ccw(c152.47,4.986) 152.47,4.841 152.482,4.841 cw(c152.482,4.696) 152.627,4.696 cw(c152.482,4.696) 152.482,4.551 152.47,4.551 ccw(c152.47,4.406) 152.325,4.406 152.325,4.071 152.325,4.008 152.49,3.843 v1(152.49,3.8) v1@152.49,3.667
IO_L15_T2_DQS_AD12_35_P: Slot1.159 U1.F19 | length 39.9
  L1 Top w0.09: Slot1.159@151.95,1.45 152.13,1.63 152.13,2.696 152.141,2.708 152.141,3.392 152.01,3.524 152.01,3.6
  L1 Top w0.343: U1.F19@136.245,22.351 v1(136.645,22.751)
  L3 Sig w0.09: v1(136.645,22.751) 136.985,22.751 137.31,22.426 137.58,22.426 137.617,22.463 137.916,22.463 137.934,22.445 139.543,20.836 139.561,20.818 139.561,20.792 139.562,18.008 142.739,14.831 149.627,14.831 150.402,14.056 150.402,13.666 149.651,12.915 149.651,12.411 150.173,11.889 150.944,11.889 152.62,10.213 152.62,9.358 152.46,9.198 151.36,9.198 151.102,8.94 151.102,8.342 151.483,7.961 153.371,7.961 153.57,7.762 153.57,7.172 153.316,6.918 152.388,6.918 152.383,6.922 151.602,6.922 151.392,6.713 151.392,5.911 152.127,5.176 152.127,4.001 152.01,3.884 v1@152.01,3.684
  other v1: 152.01,3.8
IO_L15_T2_DQS_N: U1.U20
IO_L15_T2_DQS_P: Slot1.93 U1.T20 | length 15.9
  L1 Top w0.1: Slot1.93@132.15,1.45 132.15,3.075 132.757,3.681 132.757,4.205 133.68,5.128 133.68,5.84 v1(133.76,5.92)
  L1 Top w0.254: U1.T20@137.045,14.351 v1(137.445,13.951)
  L6 Sig w0.1: v1(133.76,5.92) 133.76,6.486 137.855,10.581 137.855,10.584 138.238,10.966 138.238,12.586 137.445,13.379 v1(137.445,13.951)
IO_L16_T2_35_N: Slot1.138 U1.G18 | length 27.8
  L1 Top w0.254: U1.G18@135.445,21.551 v1(135.845,21.951)
  L6 Sig w0.1: v1(135.845,21.951) 135.617,21.951 135.558,22.01 135.558,22.092 135.747,22.281 137.989,22.281 144.79,15.48 144.79,6.937 145.837,5.89 145.837,3.259 145.778,3.2 v1(145.71,3.2)
  L8 Bot w0.1: Slot1.138@145.65,1.45 145.825,1.625 145.825,2.697 145.837,2.709 145.837,2.992 145.71,3.119 v1(145.71,3.2)
IO_L16_T2_35_P: Slot1.140 U1.G17 | length 28.5
  L1 Top w0.254: U1.G17@134.645,21.551 v1(135.045,21.951)
  L6 Sig w0.1: v1(135.045,21.951) 135.273,21.951 135.331,22.01 135.331,22.186 135.653,22.508 138.083,22.508 145.017,15.574 145.017,7.031 146.064,5.984 146.064,3.259 146.122,3.2 v1(146.19,3.2)
  L8 Bot w0.1: v1(146.19,3.2) 146.19,3.119 146.064,2.992 146.064,2.709 146.075,2.697 146.075,1.625 Slot1.140@146.25,1.45
IO_L17_T2_AD5_35_N: Slot1.149 U1.H20 | length 39
  L1 Top w0.09: 148.89,3.6 148.89,3.524 148.759,3.392 148.759,2.708 148.77,2.696 148.77,1.63 Slot1.149@148.95,1.45
  L1 Top w0.343: U1.H20@137.045,20.751 v1(137.445,21.151)
  L3 Sig w0.09: v1(137.445,21.151) 137.445,20.912 137.498,20.859 137.89,20.859 138.688,20.061 138.688,17.683 142.482,13.889 146.578,13.889 147.507,12.96 147.507,12.51 147.112,12.115 146.177,12.115 145.789,11.727 143.747,11.727 143.694,11.674 143.694,11.47 143.747,11.417 147.187,11.417 147.367,11.237 147.367,10.88 147.04,10.553 146.103,10.553 145.937,10.387 145.937,10.313 146.172,10.078 148.44,10.078 148.62,9.899 148.62,9.463 147.57,8.413 147.57,7.977 148.557,6.99 148.557,6.37 148.05,5.863 148.05,5.147 148.223,4.974 148.759,4.438 148.759,3.808 v1@148.89,3.676
  other v1: 148.89,3.8
IO_L17_T2_AD5_35_P: Slot1.147 U1.J20 | length 38.6
  L1 Top w0.09: Slot1.147@148.35,1.45 148.53,1.63 148.53,2.696 148.542,2.708 148.542,3.392 148.41,3.524 148.41,3.6
  L1 Top w0.343: U1.J20@137.045,19.951 v1(137.445,20.351)
  L3 Sig w0.09: v1(137.445,20.351) 137.445,20.59 137.498,20.642 137.8,20.642 138.471,19.971 138.471,17.593 142.392,13.672 146.488,13.672 147.29,12.87 147.29,12.6 147.022,12.332 146.087,12.332 145.699,11.944 143.657,11.944 143.477,11.764 143.477,11.38 143.657,11.2 147.097,11.2 147.15,11.147 147.15,10.97 146.95,10.77 146.013,10.77 145.72,10.477 145.72,10.223 146.082,9.861 148.35,9.861 148.403,9.809 148.403,9.553 147.353,8.503 147.353,7.887 148.34,6.9 148.34,6.46 147.833,5.953 147.833,5.057 148.133,4.757 148.542,4.349 148.542,3.808 v1@148.41,3.676
  other v1: 148.41,3.8
IO_L18_T2_AD13_35_N: Slot1.128 Slot1.155 U1.G20 | length 64.5
  L1 Top w0.09: 150.69,3.6 150.69,3.524 150.558,3.392 150.558,2.708 150.57,2.696 150.57,1.63 Slot1.155@150.75,1.45
  L1 Top w0.343: U1.G20@137.045,21.551 v1(137.445,21.951)
  L3 Sig w0.09: v1(137.445,21.951) 137.445,21.824 137.511,21.89 137.586,21.89 137.653,21.824 137.858,21.824 139.176,20.506 139.176,18.013 142.794,14.395 148.482,14.395 149.237,13.64 149.237,12.55 149.057,12.37 147.96,12.37 147.847,12.257 147.847,11.523 147.9,11.47 150.837,11.47 151.017,11.29 151.017,10.843 150.837,10.663 149.205,10.663 149.152,10.611 149.152,8.949 149.358,8.743 150.581,8.743 150.761,8.563 150.761,7.773 150.581,7.593 149.336,7.593 149.283,7.54 149.283,6.847 149.34,6.79 150.427,6.79 151.017,6.2 151.017,5.259 150.558,4.8 150.558,3.808 v1@150.69,3.676
  L6 Sig w0.09: v1(137.445,21.951) 137.206,21.951 137.153,21.898 137.153,21.824 137.347,21.63 138.187,21.63 139.512,20.305 140.684,19.133 143.63,16.187 143.617,16.174 143.617,6.247 143.303,5.933
  L6 Sig w0.1: v1(142.59,3.26) 142.59,3.341 142.463,3.468 142.463,5.093 143.303,5.933
  L8 Bot w0.1: v1(142.59,3.26) 142.59,3.179 142.463,3.052 142.463,2.709 142.475,2.697 142.475,1.625 Slot1.128@142.65,1.45
  other v1: 150.69,3.8
IO_L18_T2_AD13_35_P: Slot1.126 Slot1.153 U1.G19 | length 65
  L1 Top w0.09: Slot1.153@150.15,1.45 150.33,1.63 150.33,2.696 150.342,2.708 150.342,3.392 150.21,3.524 150.21,3.6
  L1 Top w0.343: U1.G19@136.245,21.551 v1(136.645,21.951)
  L3 Sig w0.09: v1(136.645,21.951) 136.7,21.896 137.067,21.896 137.12,21.843 137.12,21.816 137.31,21.626 137.58,21.626 137.597,21.644 137.731,21.644 138.959,20.416 138.959,17.923 142.704,14.178 148.392,14.178 149.02,13.55 149.02,12.64 148.967,12.587 147.87,12.587 147.63,12.347 147.63,11.433 147.81,11.253 150.747,11.253 150.8,11.2 150.8,10.933 150.747,10.88 149.115,10.88 148.935,10.701 148.935,8.859 149.268,8.526 150.491,8.526 150.544,8.473 150.544,7.863 150.491,7.81 149.246,7.81 149.066,7.63 149.066,6.757 149.25,6.573 150.337,6.573 150.8,6.11 150.8,5.349 150.342,4.89 150.342,3.808 v1@150.21,3.676
  L6 Sig w0.09: v1(136.645,21.951) 136.884,21.951 136.936,21.898 136.936,21.734 137.257,21.413 138.097,21.413 139.295,20.215 140.594,18.916 143.432,16.078 143.432,6.383
  L6 Sig w0.1: v1(142.11,3.26) 142.11,3.341 142.236,3.468 142.236,5.188 143.432,6.383
  L8 Bot w0.1: Slot1.126@142.05,1.45 142.225,1.625 142.225,2.697 142.236,2.709 142.236,3.052 142.11,3.179 v1(142.11,3.26)
  other v1: 150.21,3.8
IO_L19_T3_34_P: Slot1.132 U1.R16 | length 19.9
  L1 Top w0.254: U1.R16@133.845,15.151 v1(134.245,14.751)
  L3 Sig w0.1: v1(134.245,14.751) 134.253,14.759 134.669,14.759 134.92,15.01 135.163,15.01 136.917,13.256 138.104,13.256 144.455,6.906 144.455,3.805 v1(143.88,3.23)
  L8 Bot w0.1: Slot1.132@143.85,1.45 143.88,1.48 v1(143.88,3.23)
IO_L19_T3_35_N: U1.G15 | length 0.6
  L1 Top w0.254: U1.G15@133.045,21.551 v1(133.445,21.951)
IO_L19_T3_35_P: U1.H15 | length 0.6
  L1 Top w0.254: U1.H15@133.045,20.751 v1(133.445,21.151)
IO_L20_T3_34_P: Slot1.89 U1.T17 | length 28
  L1 Top w0.1: Slot1.89@130.95,1.45 130.95,2.8 131.42,3.27 131.836,3.27 132.102,3.535 132.35,3.784 132.35,4.06 131.994,4.416 v1(131.994,4.42)
  L1 Top w0.254: U1.T17@134.645,14.351 v1(135.045,13.951)
  L3 Sig w0.1: v1(131.994,4.42) 131.98,4.433 131.98,5.12 131.06,6.04 126.545,6.04 125.99,6.595 125.99,9.36 126.425,9.795 128.605,9.795 128.96,10.15 128.96,13.212 130.138,14.39 131.731,14.39 132.115,14.006 ; 132.115,14.005 132.56,13.56 134.654,13.56 v1(135.045,13.951)
IO_L20_T3_AD6_35_N: U1.J14 | length 0.6
  L1 Top w0.254: U1.J14@132.245,19.951 v1(132.645,20.351)
IO_L20_T3_AD6_35_P: U1.K14 | length 0.6
  L1 Top w0.254: U1.K14@132.245,19.151 v1(132.645,19.551)
IO_L21_T3_DQS_AD14_35_N: Slot1.101 U1.N16 | length 24
  L1 Top w0.1: U1.N16@133.845,16.751 v1(134.245,16.351) ; Slot1.101@134.55,1.45 134.375,1.625 134.375,2.697 134.364,2.709 134.364,2.91 135.987,4.534 135.987,5.46 136.056,5.529 136.056,5.81 v1(136.114,5.867)
  L6 Sig w0.1: v1(134.245,16.351) 134.245,16.303 134.427,16.121 138.679,16.121 140.079,14.721 140.079,8.528 138.454,6.903 136.593,6.903 135.973,6.283 135.973,6.076 136.114,5.936 v1(136.114,5.867)
IO_L21_T3_DQS_AD14_35_P: Slot1.99 U1.N15 | length 24.5
  L1 Top w0.1: U1.N15@133.045,16.751 v1(133.445,16.351) ; Slot1.99@133.95,1.45 134.125,1.625 134.125,2.697 134.137,2.709 134.137,3.004 135.76,4.628 135.76,5.46 135.691,5.529 135.691,5.81 v1(135.634,5.867)
  L6 Sig w0.1: v1(133.445,16.351) 133.502,16.294 133.784,16.294 134.183,15.894 138.585,15.894 139.852,14.627 139.852,8.622 138.36,7.13 136.499,7.13 135.778,6.409 135.778,6.076 135.634,5.932 v1(135.634,5.867)
IO_L21_T3_DQS_N: Slot1.87 U1.V18 | length 14.7
  L1 Top w0.1: Slot1.87@130.35,1.45 130.35,2.84 130.5,2.99 130.73,2.99 130.965,3.225 130.965,3.756 130.974,3.765 v1(130.974,4.382)
  L1 Top w0.254: U1.V18@135.445,12.751 v1(135.845,12.351)
  L6 Sig w0.1: v1(130.974,4.382) 130.974,4.716 130.832,4.857 130.832,6.768 131.775,7.71 132.953,7.71 135.566,10.323 135.566,11.363 135.515,11.414 135.515,12.021 v1(135.845,12.351)
IO_L21_T3_DQS_P: U1.V17 | length 0.6
  L1 Top w0.254: U1.V17@134.645,12.751 v1(135.045,12.351)
IO_L22_T3_34_N: Slot1.92 U1.W19 | length 13.5
  L1 Top w0.254: U1.W19@136.245,11.951 v1(136.645,11.551)
  L6 Sig w0.1: v1(131.772,3.672) 131.772,3.719 131.664,3.828 131.664,6.709 132.185,7.23 133.143,7.23 136.358,10.445 136.358,11.354 136.417,11.412 136.425,11.412 136.564,11.551 v1(136.645,11.551)
  L8 Bot w0.1: v1(131.772,3.672) 131.772,3.591 131.664,3.483 131.664,2.709 131.675,2.697 131.675,1.625 Slot1.92@131.85,1.45
IO_L22_T3_34_P: Slot1.90 U1.W18 | length 13.5
  L1 Top w0.254: U1.W18@135.445,11.951 v1(135.845,11.551)
  L6 Sig w0.1: v1(131.295,3.62) 131.295,3.686 131.437,3.828 131.437,6.803 132.091,7.457 133.049,7.457 136.131,10.539 136.131,11.354 136.073,11.412 136.065,11.412 135.926,11.551 v1(135.845,11.551)
  L8 Bot w0.1: Slot1.90@131.25,1.45 131.425,1.625 131.425,2.697 131.437,2.709 131.437,3.412 131.295,3.554 v1(131.295,3.62)
IO_L22_T3_AD7_35_N: U1.L15 | length 0.6
  L1 Top w0.254: U1.L15@133.045,18.351 v1(133.445,17.951)
IO_L22_T3_AD7_35_P: U1.L14 | length 0.6
  L1 Top w0.254: U1.L14@132.245,18.351 v1(132.645,17.951)
IO_L23_T3_35_N: Slot1.74 U1.M15 | length 25.2
  L1 Top w0.254: U1.M15@133.045,17.551 v1(133.445,17.151)
  L3 Sig w0.1: v1(124.596,5.6) 124.596,5.677 124.728,5.809 124.728,8.18 124.502,8.405 124.502,10.133 124.188,10.447 124.188,10.94 126.528,13.28 126.528,14.946 126.849,15.267 128.998,15.267 129.745,16.014 129.745,17.066 130.288,17.608 132.655,17.608 132.975,17.288 132.975,17.252 133.076,17.151 v1(133.445,17.151)
  L8 Bot w0.1: v1(124.596,5.6) 124.596,5.555 124.759,5.391 124.759,5.175 125.276,4.658 125.532,4.658 126.123,4.067 126.123,3.467 126.637,2.954 126.637,2.709 126.625,2.697 126.625,1.625 Slot1.74@126.45,1.45